# KiCad board Marble.kicad_pcb (continued)
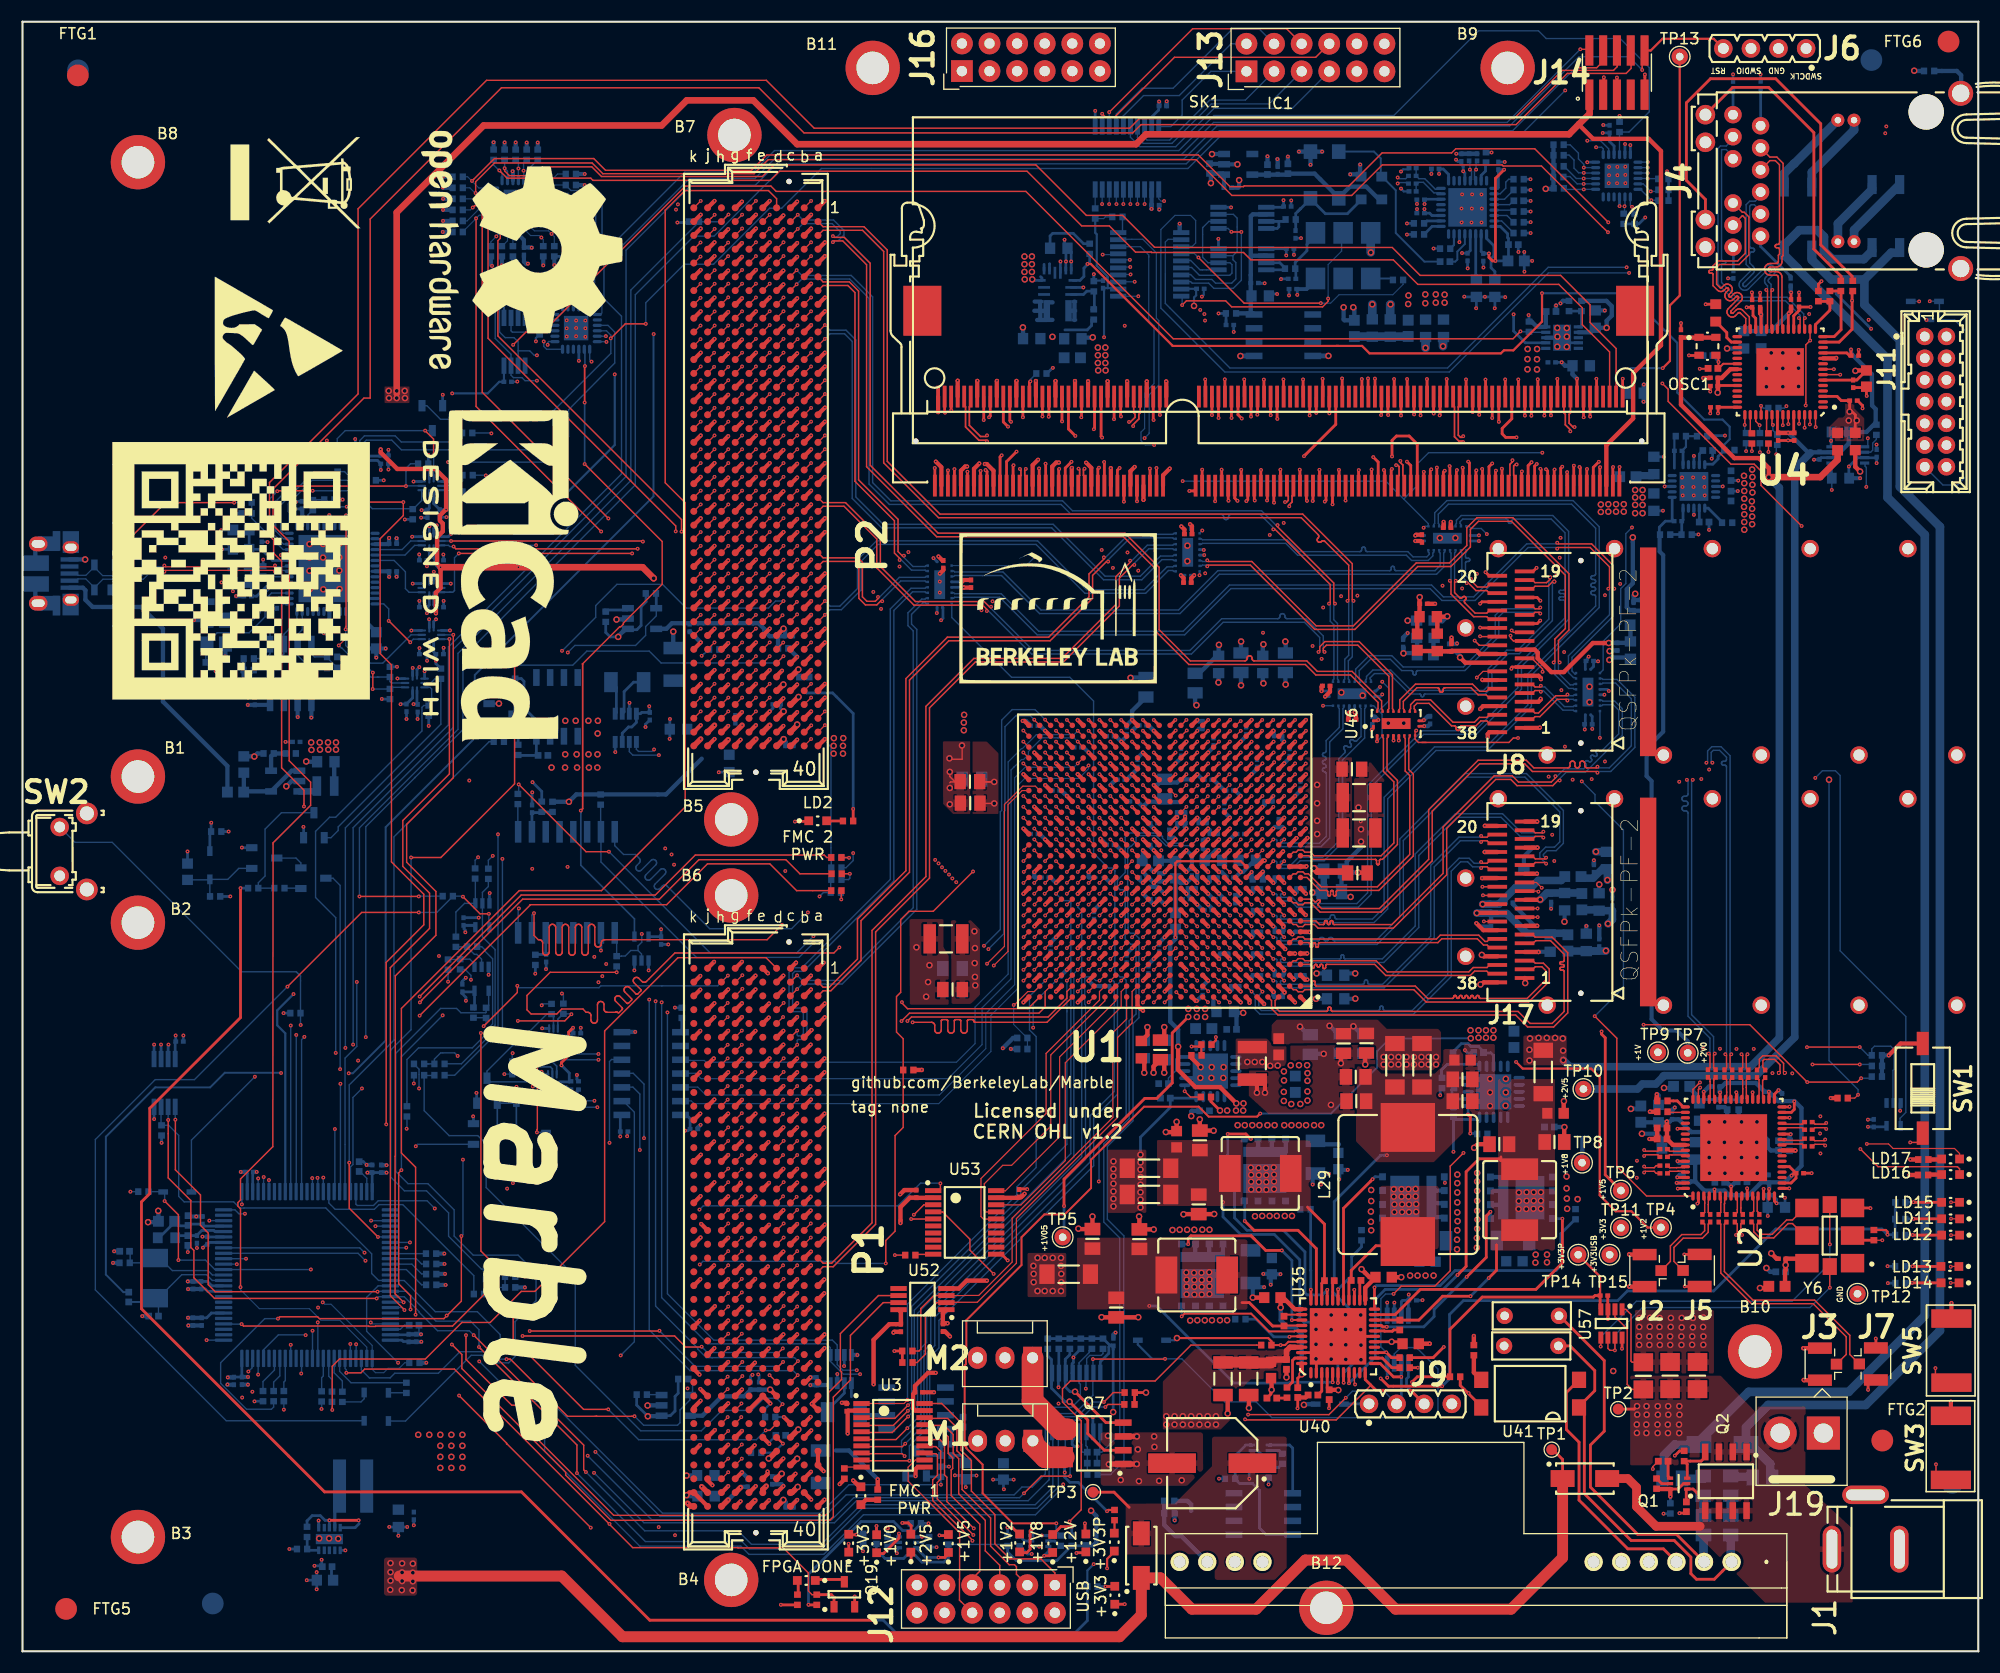
[diagram p0: board, top side]
## Nets (continued)
Net-(R126-Pad2): R126.2 U23.15 U33.8
Net-(R135-Pad2): R135.2 U54.93
Net-(R136-Pad2): R136.2 U54.92
Net-(R151-Pad2): R151.2 U54.82
Net-(R152-Pad2): R152.2 U54.83
Net-(R153-Pad2): R153.2 U54.84
Net-(R154-Pad2): R154.2 U54.85
Net-(R161-Pad1): R161.1 U1.M6
Net-(R168-Pad2): R168.2 R189.1 U36.16
Net-(R190-Pad2): R190.2 U35.39
Net-(R191-Pad2): R191.2 U35.33
Net-(R192-Pad2): R192.2 U35.28
Net-(R193-Pad2): R193.2 U35.43
Net-(R194-Pad2): R194.2 U35.22
Net-(R195-Pad2): R195.2 R196.1 U37.16
Net-(R197-Pad2): R197.2 R198.1 U40.9
Net-(R200-Pad2): R200.2 U23.17
Net-(R210-Pad2): R210.2 U30.1
Net-(R259-Pad2): R259.2 U55.3
Net-(R261-Pad2): R261.2 U43.3
Net-(R262-Pad2): R262.2 U6.6
Net-(R263-Pad2): R263.2 SW2.2 SW3.2 U54.23
Net-(R274-Pad2): R42.1 R274.2 U5.18
Net-(R281-Pad1): R281.1 U41.3
Net-(R283-Pad2): R283.2 R286.1 U1.T5
Net-(R284-Pad1): R284.1 R287.1 U1.T2
Net-(R285-Pad1): R285.1 R288.1 U1.P5
Net-(R291-Pad1): R291.1 U4.43
Net-(R292-Pad1): R292.1 U4.46
Net-(R293-Pad1): R293.1 U4.44
Net-(R294-Pad1): R294.1 U4.45
Net-(R295-Pad1): R295.1 U4.47
Net-(R296-Pad1): R296.1 U4.48
Net-(SK1-Pad74): SK1.74
Net-(SK1-Pad77): SK1.77
Net-(SK1-Pad102): SK1.102
Net-(SK1-Pad104): SK1.104
Net-(SK1-Pad120): SK1.120
Net-(SK1-Pad121): SK1.121
Net-(SK1-Pad122): SK1.122
Net-(SK1-Pad125): SK1.125
Net-(SK1-Pad198): SK1.198
Net-(U1-PadA23): U1.A23
Net-(U1-PadA24): U1.A24
Net-(U1-PadAA2): U1.AA2
Net-(U1-PadAA7): U1.AA7
Net-(U1-PadAB20): U1.AB20
Net-(U1-PadAC16): U1.AC16
Net-(U1-PadAD5): U1.AD5
Net-(U1-PadAD25): U1.AD25
Net-(U1-PadAE25): U1.AE25
Net-(U1-PadB26): U1.B26
Net-(U1-PadD11): U1.D11
Net-(U1-PadG11): U1.G11
Net-(U1-PadJ14): U1.J14
Net-(U1-PadN16): U1.N16
Net-(U1-PadT7): U1.T7
Net-(U1-PadU4): U1.U4
Net-(U1-PadU9): U1.U9
Net-(U1-PadU16): U1.U16
Net-(U1-PadU21): U1.U21
Net-(U1-PadV13): U1.V13
Net-(U1-PadW13): U1.W13
Net-(U1-PadW20): U1.W20
Net-(U1-PadY20): U1.Y20
Net-(U1-PadY21): U1.Y21
Net-(U2-Pad19): U2.19
Net-(U2-Pad20): U2.20
Net-(U2-Pad22): U2.22
Net-(U2-Pad23): U2.23
Net-(U2-Pad51): U2.51
Net-(U2-Pad52): U2.52
Net-(U2-Pad54): U2.54
Net-(U2-Pad55): U2.55
Net-(U4-Pad1): U4.1
Net-(U4-Pad2): U4.2
Net-(U4-Pad4): U4.4
Net-(U4-Pad5): U4.5
Net-(U4-Pad7): U4.7 U6.5
Net-(U4-Pad9): U4.9
Net-(U4-Pad12): U4.12
Net-(U4-Pad29): U4.29
Net-(U4-Pad31): U4.31
Net-(U4-Pad32): U4.32
Net-(U4-Pad33): U4.33
Net-(U4-Pad36): U4.36
Net-(U4-Pad37): U4.37
Net-(U4-Pad39): U4.39
Net-(U4-Pad40): U4.40
Net-(U4-Pad41): U4.41
Net-(U5-Pad25): U5.25
Net-(U13-Pad4): U13.4
Net-(U15-Pad1): U15.1
Net-(U15-Pad4): U15.4
Net-(U15-Pad8): U15.8 U23.34
Net-(U15-Pad9): U15.9
Net-(U18-Pad4): U18.4
Net-(U18-Pad7): U18.7
Net-(U20-Pad2): U20.2
Net-(U20-Pad3): U20.3
Net-(U20-Pad8): U20.8
Net-(U20-Pad24): U20.24
Net-(U20-Pad28): U20.28
Net-(U20-Pad29): U20.29
Net-(U21-Pad7): U21.7
Net-(U23-Pad18): U23.18
Net-(U23-Pad19): U23.19
Net-(U23-Pad20): U23.20
Net-(U23-Pad22): U23.22
Net-(U23-Pad23): U23.23
Net-(U23-Pad25): U23.25
Net-(U23-Pad27): U23.27
Net-(U23-Pad28): U23.28
Net-(U23-Pad29): U23.29
Net-(U23-Pad30): U23.30
Net-(U23-Pad32): U23.32 U38.9
Net-(U23-Pad33): U23.33 U38.8
Net-(U23-Pad35): U23.35
Net-(U23-Pad37): U23.37
Net-(U23-Pad38): U23.38
Net-(U23-Pad39): U23.39
Net-(U23-Pad40): U23.40
Net-(U23-Pad42): U23.42 U25.8
Net-(U23-Pad46): U23.46 U25.9
Net-(U23-Pad47): U23.47
Net-(U23-Pad48): U23.48
Net-(U23-Pad49): U23.49
Net-(U23-Pad51): U23.51
Net-(U23-Pad52): U23.52
Net-(U23-Pad53): U23.53
Net-(U23-Pad54): U23.54
Net-(U30-Pad3): U30.3
Net-(U30-Pad4): U30.4
Net-(U30-Pad5): U30.5
Net-(U30-Pad6): U30.6
Net-(U30-Pad11): U30.11
Net-(U30-Pad12): U30.12
Net-(U30-Pad13): U30.13
Net-(U34-Pad1): U34.1
Net-(U34-Pad2): U34.2
Net-(U34-Pad3): U34.3
Net-(U34-Pad10): U34.10
Net-(U34-Pad11): U34.11
Net-(U34-Pad12): U34.12
Net-(U35-Pad1): U35.1
Net-(U35-Pad10): U35.10
Net-(U35-Pad15): U35.15
Net-(U36-Pad2): U36.2
Net-(U36-Pad3): U36.3
Net-(U36-Pad4): U36.4
Net-(U36-Pad9): U36.9
Net-(U36-Pad13): U36.13
Net-(U36-Pad14): U36.14
Net-(U36-Pad17): U36.17
Net-(U37-Pad2): U37.2
Net-(U37-Pad3): U37.3
Net-(U37-Pad4): U37.4
Net-(U37-Pad9): U37.9
Net-(U37-Pad13): U37.13
Net-(U37-Pad14): U37.14
Net-(U37-Pad17): U37.17
Net-(U39-Pad2): U39.2
Net-(U39-Pad10): U39.10
Net-(U39-Pad11): U39.11
Net-(U39-Pad14): U39.14
Net-(U39-Pad15): U39.15
Net-(U39-Pad16): U39.16
Net-(U40-Pad3): U40.3 U41.2
Net-(U47-Pad9): U47.9
Net-(U47-Pad17): U47.17
Net-(U48-Pad9): U48.9 U56.4
Net-(U52-Pad5): U52.5
Net-(U53-Pad6): U53.6
Net-(U53-Pad7): U53.7
Net-(U53-Pad8): U53.8
Net-(U53-Pad9): U53.9
Net-(U53-Pad12): U53.12
Net-(U53-Pad13): U53.13
Net-(U53-Pad14): U53.14
Net-(U53-Pad15): U53.15
Net-(U54-Pad2): U54.2
Net-(U54-Pad3): U54.3
Net-(U54-Pad5): U54.5
Net-(U54-Pad7): U54.7
Net-(U54-Pad8): U54.8
Net-(U54-Pad9): U54.9
Net-(U54-Pad24): U54.24
Net-(U54-Pad32): U54.32
Net-(U54-Pad33): U54.33
Net-(U54-Pad38): U54.38
Net-(U54-Pad48): U54.48
Net-(U54-Pad51): U54.51
Net-(U54-Pad52): U54.52
Net-(U54-Pad55): U54.55
Net-(U54-Pad63): U54.63
Net-(U54-Pad70): U54.70
Net-(U54-Pad71): U54.71
Net-(U54-Pad88): U54.88
Net-(U54-Pad90): U54.90
Net-(U54-Pad95): U54.95
Net-(U54-Pad99): U54.99
Net-(U58-Pad4): U58.4 U58.5 U58.6 U58.A4
Net-(U58-Pad10): U58.10
Net-(U58-Pad11): U58.11
Net-(U58-Pad15): U58.15
Net-(U59-Pad5): U59.5
Net-(Y3-Pad5): Y3.5
Net-(Y6-Pad1): Y6.1

Pads without a net: FTG1 1; FTG2 1; FTG3 1; FTG4 1; FTG5 1; FTG6 1; FTG7 1; FTG8 1; SK1 205 206; SW2 3 4; U14 1 2 3 6 7; U40 4 5 6; U51 6 9; U56 1

## Via types
v1: diameter 0.35, hole 0.152, Top to Bottom, 2779 vias
v2: diameter 0.6, hole 0.35, Top to Bottom, 688 vias

## Routing (per net, layer and track width the routed paths; a pad name or vN(x,y) marks a point on that pad's centre or on a via; arc(x,y) is an arc through that point)
+1V0: length 221.5
  Top w0.254: C57.1 168.82,117.02 C53.1 168.48,117.01 U4.6 ; v1(156.04,113.95) 156.06,113.97 C54.1 156.06,114.51 U4.42
  Top w0.381: U1.P14 v1(104.12,73.73) ; U1.N9 v1(110.12,71.73) ; U1.J9 v1(110.12,67.73) ; U1.K8 v1(111.12,68.73) ; U1.K12 v1(107.12,68.73) ; U1.L9 v1(110.12,69.73) ; U1.L15 v1(103.12,69.73) ; U1.M14 v1(104.12,70.73) ; U1.M8 v1(111.12,70.73) ; U1.N15 v1(103.12,71.73) ; U1.K10 v1(109.12,68.73) ; U1.K14 v1(104.12,68.73) ; U1.T14 v1(104.12,75.73) ; U1.U15 v1(103.12,76.73) ; U1.R15 v1(103.12,74.73) ; U1.L13 105.12,69.73 v1(105.1,69.73)
  Top w0.4: C57.1 168.78,117.9
  In2.Cu w0.254: v2(125.27,54.02) 124.97,53.72 124.97,45.62 118.08,38.73 118.08,35.37 107.29,24.58 100.41,24.58 99.01,23.17 99.01,21.33 98.9,21.22 98.9,9.92 97.37,8.39 85.31,8.39 v1(84.12,9.58)
  In2.Cu w0.4: v2(130.1,54.02) 130.4,53.72 149.25,53.72 167.31,71.77 167.31,109.9 167.99,110.58 169.46,110.58 170.31,111.43 170.31,116.24 v2(168.69,117.86) 168.04,118.51 166.62,118.51 166.41,118.73 160.03,118.73 156.04,114.74 v1(156.04,113.95)
  Bottom w0.254: R247.1 v1(84.12,9.58)
  Bottom w0.381: v1(103.12,74.73) U1.R15 C271.1 103.77,74.08 v1(104.12,73.73) ; v1(110.12,67.73) U1.J9 C269.1 109.47,68.38 v1(109.12,68.73) ; v1(110.12,71.73) 110.37,71.73 110.77,71.33 C264.1 110.77,71.08 v1(111.12,70.73) ; v1(104.12,75.73) 103.77,76.08 C279.1 U1.U15 v1(103.12,76.73) ; C277.1 106.77,69.08 v1(107.12,68.73) ; v1(111.12,68.73) U1.K8 C267.1 110.47,69.38 v1(110.12,69.73) ; 103.62,71.23 v1(103.12,71.73) ; v1(104.12,68.73) 103.77,69.08 C275.1 103.62,69.23 v1(103.12,69.73) 103.76,70.37 104.2,70.37 104.12,70.46 v1(104.12,70.73) 103.59,71.26 103.58,71.26 ; C270.1 123.18,56.84 122.48,57.55 ; v2(120.29,57.57) 121.02,56.84 C268.1 ; v1(105.1,69.73) 104.46,70.37 104.2,70.37 104.15,70.42 104.12,70.42 ; 118.16,56.82 118.16,56.91 v2(117.57,57.5)
  vias: v2(119.15,79.76) v2(119.15,78.06) v2(119.15,76.44) v2(119.15,75.23) v2(122.49,57.53) v2(125.27,54.7) v2(125.96,54.7) v2(125.96,54.02) v2(126.64,54.7) v2(126.64,54.02) v2(127.38,54.7) v2(127.38,54.02) v2(128.06,54.7) v2(128.06,54.02) v2(128.75,54.7) v2(128.75,54.02) v2(129.41,54.7) v2(129.41,54.02) v2(130.1,54.7)
+1V5: length 243.9
  Top w0.254: v1(108.85,117.07) 108.86,117.06 108.86,115.44 ; v1(110.65,117.08) 110.66,117.08 110.66,115.46 ; v1(112.44,117.07) 112.45,117.06 112.45,115.44 ; v1(114.25,117.06) 114.26,117.05 114.26,115.43 ; v1(116.05,117.07) 116.06,117.06 116.06,115.44 ; v1(117.85,117.07) 117.86,117.06 117.86,115.44 ; v1(119.66,117.14) 119.67,117.13 119.67,115.51 ; v1(121.45,117.16) 121.46,117.15 121.46,115.53 ; v1(123.26,117.11) 123.27,117.1 123.27,115.48 ; v1(122.98,108.73) 122.97,108.71 SK1.123 ; v1(108.57,108.77) 108.57,108.76 SK1.75 ; TP6.1 145.67,43.86 145.67,56.47 145.33,56.81 v1(145.33,57.05) ; v1(112.16,108.75) 112.17,108.75 SK1.87 ; v1(117.55,108.77) 117.57,108.75 SK1.105 ; SK1.111 119.37,108.75 v1(119.36,108.75) ; SK1.81 110.37,108.76 v1(110.36,108.77) ; v1(113.99,108.74) 113.97,108.72 SK1.93 ; v1(121.16,108.75) 121.17,108.74 SK1.117 ; SK1.99 115.77,108.76 v1(115.77,108.77)
  Top w0.381: U1.U3 v1(116.12,76.73) ; U1.AA1 v1(118.12,80.73) ; U1.AF6 v1(113.12,85.73) ; U1.Y4 v1(115.12,79.73) ; U1.AD2 v1(117.12,83.73) ; U1.AF16 v1(102.12,85.73) ; U1.W17 v1(101.12,78.73) ; U1.AB18 v1(100.12,81.73) ; U1.Y14 v1(104.12,79.73) ; U1.AC15 v1(103.12,82.73) ; U1.AB8 v1(111.12,81.73) ; U1.V10 v1(109.12,77.73) ; U1.AD12 v1(107.12,83.73) ; U1.AE19 v1(99.12,84.73) ; U1.AE9 v1(110.12,84.73) ; U1.W7 v1(112.12,78.73) ; U1.AA11 v1(108.12,80.73) ; U1.AC5 114.08,82.69 v1(114.08,82.73)
  In2.Cu w0.254: 88.14,15.26 89.76,16.88 92.79,16.88 94.69,18.78 94.69,23.04 97.12,25.48 97.12,31.37 99.27,33.52 ; 88.14,15.26 88.25,15.4 ; 88.14,15.26 84.17,11.32 v1(79.64,11.32) ; v1(145.33,57.05) 138.39,57.05 136.27,54.93 131.82,54.93 130.83,55.92 113.38,55.92 112.13,54.67 112.13,51.65 111.79,51.31 109.79,51.31 108.49,50.01 106.08,50.01 103.77,47.7 103.77,44.02 104.34,43.45 104.34,40.38 99.29,35.32 99.29,33.54
  In4.Cu w0.254: v1(141.96,83.27) 141.96,76.16 143.03,75.09 143.03,64.45 145.33,62.14 v1(145.33,57.05)
  In4.Cu w0.4: v1(103.91,132.77) 103.91,124.48 v1(101.44,122.01)
  Bottom w0.112: R6.2 99.65,132.03 99.5,131.88 R5.1
  Bottom w0.2: 99.86,125.48 C317.1 99.54,125.38 v1(99.54,120.96) ; 99.86,125.48 99.88,125.5 99.88,126.45 99.85,126.47 99.85,126.56 98.87,127.54 98.87,130.43 98.73,130.57 R5.1 ; 99.86,125.48 100.79,125.47 100.83,125.43
  Bottom w0.254: v1(94.83,118.14) 94.8,118.14 94.26,117.59 ; R250.1 79.63,11.31 v1(79.64,11.32)
  Bottom w0.381: C332.1 U1.AD2 v1(117.12,83.73) ; 108.77,80.23 108.62,80.23 v1(108.12,80.73) ; C389.1 102.62,82.23 v1(103.12,82.73) ; C387.1 U1.AE19 v1(99.12,84.73) ; v1(113.12,85.73) U1.AF6 C334.1 ; v1(118.12,80.73) U1.AA1 C338.1 ; C390.1 U1.W17 v1(101.12,78.73) ; C391.1 115.97,76.58 v1(116.12,76.73) ; v1(112.12,78.73) 111.62,79.23 111.47,79.23 ; C261.1 U1.AE9 v1(110.12,84.73) ; v1(114.08,82.73) 113.62,82.27 C336.1
  Bottom w0.4: U31.2 144.33,121.41 C22.1 145.79,121.83 v2(145.8,121.82) 145.8,122.47 146.27,122.95 146.27,123.82 145.78,124.3 R31.2 ; C253.1 102.12,86.56 v1(102.12,85.73) 101.64,85.25 C388.1 ; v2(116.25,88.99) 116.23,89.01 C284.1 ; C257.1 106.63,83.24 v1(107.12,83.73) ; C286.1 112.14,88.92 v2(112.15,88.91) ; v2(110.07,89.18) 110.08,89.19 C282.1 ; U12.2 103.91,134.55 C312.1 103.91,132.77 v1(103.91,132.77) ; v1(104.12,79.73) 104.43,79.73 104.67,79.97 106.27,79.97 106.55,80.25 107.64,80.25 v1(108.12,80.73) ; C386.1 107.92,87.21 v2(108.05,87.09) ; C280.1 114.15,89.16 v2(114.21,89.1)
  vias: v2(98.97,120.01) v2(98.97,119.3) v2(98.97,118.59) v2(99,117.9) v2(99.66,120.01) v2(99.66,119.3) v2(99.66,118.59) v2(99.68,117.9) v2(145.26,105.56) v2(145.26,104.88) v2(145.95,105.59) v2(145.95,104.9) v2(146.66,105.59) v2(146.66,104.9) v2(147.37,105.59) v2(147.37,104.9)
+1V8: length 190.4
  Top w0.2: v1(106.11,65.73) 106.11,72.55 106.29,72.73 112.12,72.73 U1.N6
  Top w0.254: 154.28,120.94 154.3,120.92 ; R76.1 109.39,50.6 v2(110.21,49.77) ; 152.66,120.92 C43.1
  Top w0.4: 160.74,108.08 v2(160.73,108.07) 160.73,108.91 159.8,109.83 157.55,109.83 152.64,114.75 C43.1 ; v2(106.36,55.65) 106.36,53.52 107.95,51.93 110.21,51.93 v2(111.71,50.43) ; 152.66,120.92 155.85,120.92
  Top w0.6: L3.1 167.05,109.67 165.46,108.08 160.74,108.08
  In2.Cu w0.254: 109.63,49.19 v2(110.21,49.77) ; v1(92.88,8.96) 93.14,9.21 95.68,9.21 97.1,10.63 97.1,13.43 98.02,14.34 98.02,21.41 98.01,21.42 98.01,22.97 102.03,26.99 102.03,31.87 105.12,34.96 105.12,44.39 109.4,48.67 109.4,48.97 109.62,49.19
  Bottom w0.254: v1(92.88,8.96) 92.49,8.96 R255.1
  Bottom w0.381: TP8.1 143.53,46.03 143.56,46.06 143.56,47.26
  Bottom w0.4: v2(106.36,55.65) 106.36,57.24 105.63,57.96 105.63,65.08 106.12,65.57 L27.1
  Bottom w0.7: v2(160.73,108.07) 161.69,107.1 161.69,56.47 159.04,53.81 142.4,53.81 v2(141.8,54.42)
  vias: v2(110.87,49.77) v2(111.68,49.77) v2(112.37,50.43) v2(112.35,49.77) v2(116.08,51.49) v2(116.09,50.66) v2(116.77,50.37) v2(117.6,50.38) v2(118.26,51.53) v2(118.26,50.69) v2(138.69,55.37) v2(138.69,54.38) v2(138.74,56.41) v2(139.53,56.46) v2(140.29,56.46) v2(141.05,56.46) v2(141.76,56.41) v2(141.79,55.29)
+1V8_USB: length 2.2
  Bottom w0.381: C173.1 31.75,94.62 U23.43
+2V5: length 444.4
  Top w0.127: 88.29,78.04 v2(89.43,78.04)
  Top w0.178: 88.29,80.03 v2(89.43,80.03) ; 86.91,65.58 C239.1 86.63,65.58
  Top w0.254: U1.F26 v1(92.12,64.73) ; v1(72.34,4.28) 72.35,4.27 R162.1 ; 162.5,112.15 v1(162.49,112.15) 162.49,112.15 ; C56.1 163.02,112.2 U4.52 ; U4.11 167.9,119.51 168.15,119.26 C55.1 168.29,119.81 v1(168.28,119.82) ; U4.49 161.52,112.21 C79.1 ; v1(128.42,26.1) 127.69,26.1 R157.1 ; v1(50.67,57.39) 50.27,56.99 50.27,54.85 49.6,54.19 v1(49.6,53.94) ; v1(80.24,27.63) 80.25,27.64 R2.1 80.97,27.63 R1.1
  Top w0.381: U1.U23 v1(95.12,76.73) ; U1.AC25 v1(93.12,82.73) ; U1.H20 v1(98.12,66.73) ; U1.G23 v1(95.12,65.73) ; U1.T6 v1(113.12,75.73) ; U1.AD22 v1(96.12,83.73) ; U1.T16 v1(102.12,75.73) ; U1.L7 v1(112.12,69.73) ; U1.A21 v1(97.12,59.73) ; U1.F16 v1(102.12,64.73) ; U1.E19 v1(99.12,63.73) ; U1.T26 v1(92.12,75.73) ; U1.P7 v1(112.12,73.73) ; U1.K24 v1(94.12,68.73) ; U1.P22 v1(96.12,73.73) ; U1.D22 v1(96.12,62.73) ; U1.Y24 v1(94.12,79.73) ; U1.M18 v1(100.12,70.73) ; U1.C15 v1(103.12,61.73) ; U1.D12 v1(107.12,62.73) ; U1.G13 v1(105.12,65.73) ; U1.B8 v1(111.12,60.73) ; U1.H10 v1(109.12,66.73) ; U1.E9 110.12,63.73 v1(110.12,63.73) ; U1.J17 101.11,67.72 v1(101.11,67.72) ; P2.H40 64.37,83.34 ; U1.B18 v1(100.12,60.73) ; P1.H40 64.35,13.34 ; U1.V20 98.12,77.73 v1(98.12,77.73) ; U1.AA21 97.12,80.73 v1(97.12,80.73) ; v1(108.07,59.86) 107.99,59.86 U1.A11 ; v1(99.21,74.79) 99.21,74.64 U1.R19 ; U1.N25 93.12,71.73 v1(93.12,71.73) ; P1.G39 65.62,14.61 ; v1(97.12,69.73) 97.12,69.73 U1.L21 ; R4.1 75.64,15.81 v1(75.21,15.38) ; U1.AF26 92.21,85.64 v1(92.06,85.64) ; v1(75.94,20.04) 75.94,22.09 76.01,22.16 U3.2 ; U1.C25 v1(93.12,61.73)
  Top w0.4: C287.1 105.08,56.61 v2(105.08,57.45) ; C56.1 162.5,112.15 ; C79.1 162.49,112.15 ; v2(103.53,57.45) 103.53,56.74 C281.1 ; v1(85.14,30.19) 84.76,30.19 C21.1 84.71,31.12 U52.1 ; 89.61,41.74 91.65,41.74 C319.1 91.91,41.8 v1(92.22,42.12) ; v1(32.97,110.63) 32.97,110.35 34.49,108.83 38,108.83 38.99,107.84 v1(38.99,105.1) 38.96,105.1 38.42,104.55 38.42,104.07 38.68,103.81 38.68,103.09 38.16,102.56 38.16,100.11 v1(38.48,99.79) 38.48,97.88 38.05,97.45 v1(38.05,95.55) ; v1(82.77,53.52) 82.76,53.51 R160.1
  Top w0.5: P2.K40 v1(62.42,83.98) ; v1(61.21,13.63) 61.5,13.34 P1.K40 ; P2.F40 v1(67.5,83.98) ; P1.F40 v1(67.41,13.88) ; 65.62,14.61 v1(66.09,15.08) ; 64.37,83.34 v1(64.94,83.91) ; P1.E39 68.13,14.89 v1(68.45,15.21) ; P2.E39 v1(68.77,85.25) ; 64.35,13.34 v1(64.94,13.94) ; P2.G39 v1(66.23,85.25) ; P2.J39 v1(63.69,85.25) ; P1.J39 v1(62.51,15.15)
  Top w0.6: v2(58.09,98.77) 57.07,99.79 v1(38.48,99.79)
  In2.Cu w0.254: v1(128.42,26.1) 128.42,26.35 130.48,28.41 130.73,28.41 135.53,33.21 135.53,43.93 141.71,50.11 143.08,50.11 143.66,50.7 TP10.1 ; v1(83.39,11.78) 80.87,14.29
  In2.Cu w0.6: v2(58.09,98.77) 58.09,96.68 61.82,92.95 61.82,83.61
  In4.Cu w0.254: v1(49.6,53.94) 53.34,53.94 59.36,47.92 v1(60.98,47.92)
  In4.Cu w0.381: J11.2 177.07,122.16 176.05,123.18 171.65,123.18 v1(168.28,119.82)
  In9.Cu w0.254: v2(50.29,78.2) 47.9,75.81 47.9,63.33 47.19,62.62 v1(47.19,62.37) 47.19,60.63 50.42,57.39 v1(50.67,57.39)
  In9.Cu w0.4: 143.66,51.59 TP10.1
  In9.Cu w1: TP10.1 143.66,50.47 142.34,49.15 135.77,49.15 135.06,48.44 127.25,48.44 121.96,43.15 121.96,43.08 116.55,37.67 108.63,37.67 106.77,35.82 93.13,35.82
  Bottom w0.13: 74.01,83.63 74.41,83.24 R283.1 74.43,73.07 R282.2
  Bottom w0.254: U9.6 50.32,52.41 50.32,52.42 50.32,53.22 v1(49.6,53.94) ; v1(72.34,4.28) 72.34,7.1 77.18,11.94 80.17,11.94 81,11.12 82.05,11.12 82.69,11.76 R251.1 v1(83.39,11.78) ; v1(32.97,110.63) 32.97,110.63 C186.1 32.92,110.02 U33.6 ; U15.6 37.84,96.32 C356.1 38.05,95.55 v1(38.05,95.55) ; 60.67,49.39 61.08,49.39 61.45,49.03 61.45,48.13 61.24,47.92 v1(60.98,47.92) ; R166.1 45.64,100.74 v1(45.64,99.79) ; U26.6 37.84,105.65 C185.1 38.98,105.09 v1(38.99,105.1) ; U8.6 50.42,56.63 C213.1 50.68,57.39 v1(50.67,57.39) ; 164.44,110.25 164.55,110.32 ; 166.93,125.21 166.93,124.95 v1(170.14,121.73) ; v1(38.48,99.79) 38.23,99.79 38.05,99.97 C187.1 37.84,100.63 U38.6 ; R227.1 47.2,62.39 v1(47.19,62.37) ; v1(162.49,112.15) 162.54,112.15
  Bottom w0.381: v1(112.12,69.73) 111.97,69.58 C248.1 ; v1(105.12,65.73) 104.62,65.23 C333.1 ; v1(102.12,64.73) 101.62,64.23 C249.1 ; C260.1 U1.H20 v1(98.12,66.73) ; C258.1 94.62,65.23 v1(95.12,65.73) ; C256.1 U1.T6 v1(113.12,75.73) ; C337.1 111.27,60.88 v1(111.12,60.73) ; 95.62,62.08 95.62,62.23 v1(96.12,62.73) ; C262.1 U1.T26 v1(92.12,75.73) ; v1(100.12,70.73) 99.62,71.23 99.47,71.23 ; v1(103.12,61.73) U1.C15 C335.1 ; 96.77,83.23 U1.AD22 v1(96.12,83.73) ; v1(94.12,79.73) U1.Y24 C247.1 ; v1(110.12,63.73) 110.12,64.08 110.27,64.23 ; v1(108.07,59.86) 108.59,60.38 C392.1 ; C251.1 100.12,61.08 v1(100.12,60.73) ; v1(92.06,85.64) 92.36,85.64 92.77,85.23 ; v1(93.12,71.73) 93.12,71.27 93.16,71.23 C245.1 ; v1(99.21,74.79) 99.77,74.24 C250.1
  Bottom w0.4: U6.3 167.27,110.37 168.1,111.2 R64.2 169.71,112.24 170.56,113.08 170.56,114.34 170.23,114.67 170.21,117.55 168.28,119.47 v1(168.28,119.82) ; R221.1 91.17,56.46 v1(90.22,55.51) ; 62.51,82.16 59.22,78.87 R223.1 50.96,78.87 v2(50.29,78.2) R225.1 ; 162.54,112.15 164.44,110.25 ; 166.48,110.37 164.74,110.37 ; v1(64.94,13.94) v1(66.09,15.08) 66.14,15.13 C67.1
  Bottom w0.7: TP10.1 148.63,51.76 149.09,52.22 150.32,52.22 151,52.89 151,52.92 151.07,52.99 159.57,52.99 163.11,56.53 163.11,108.88 164.55,110.32
  vias: v2(74.67,84.06) v2(74.65,83.34) v2(74.65,82.63) v2(75.54,84.06) v2(75.51,83.34) v2(75.51,82.63) v2(86.66,86.2) v2(86.64,85.49) v2(86.64,84.78) v2(87.61,66.28) v2(87.66,64.73) v2(87.64,63.35) v2(87.66,62.07) v2(87.69,61.3) v2(93.04,35.47) v2(93.06,34.74) v2(93.06,33.98) v2(93.42,36.21) v2(93.42,33.16) v2(94.08,36.21) v2(94.08,33.16) v2(94.82,36.21) v2(94.82,33.16) v2(95.58,36.21) v2(95.58,35.47) v2(95.58,33.16) v2(95.6,34.74) v2(95.6,33.98)
+3V3: length 205.9
  Top w0.127: R7.1 v1(80.29,36.46)
  Top w0.254: 128.52,85.15 129,85.15 v1(129,85.16) ; R163.1 69.81,4.27 v1(69.8,4.28) ; v1(160.25,42.56) 160.24,42.55 U2.14 ; 124.32,85.15 124.32,84.97 v1(124.18,84.83) ; v1(130.81,28.01) 129.83,27.03 R167.1 ; 126.67,84.3 126.67,83.84 v1(126.67,83.84)
  Top w0.381: C104.1 107.56,98.78 v1(107.83,99.05) ; C395.1 107.64,103.56 v1(107.45,103.75) ; v1(84.3,100.78) 84.67,100.4 C397.1 ; P1.C39 70.7,14.61 ; v1(122.12,86.4) 122.02,86.31 C305.1 ; v1(86.64,97.93) 86.66,97.91 C37.1 ; C292.1 128.26,102.78 v1(128.19,102.71) ; P2.D40 69.45,83.34 ; v1(119.89,87.87) 120.34,88.33 C396.1 ; v1(84.05,25.63) 83.34,25.63 82.13,24.42 C314.1 81.97,23.67 81.97,22.36 82.17,22.16 U3.19 ; P1.D40 69.43,13.34 ; P2.D36 69.45,88.42 ; C306.1 131.45,103.43 v1(131.45,103.97) ; 71.29,85.23 v2(71.29,85.31)
  Top w0.4: 83.81,41.74 82.28,41.74 C318.1 81.67,41.75 80.8,40.89 v1(80.8,39.42) ; v2(128.59,97.03) 128.57,97.01 C297.1 128.37,95.02 L2.1 ; R19.1 v1(173.75,45.27) ; v1(173.68,43.86) 173.7,43.84 R18.1
  Top w0.5: P2.C39 71.29,85.23 ; 70.7,14.61 70.83,14.61 v2(71.35,15.13) ; P1.D38 v2(69.87,16.35) ; 69.43,13.34 v2(70.03,13.94) ; P1.D36 68.73,17.75 v2(68.68,17.75) ; P2.D38 70.04,86.52 ; 69.45,83.34 70.03,83.91 ; 69.45,88.42 v2(70.03,88.99)
  In4.Cu w0.4: 107.83,101.01 107.83,102.26 108.27,102.69 ; 107.83,101.01 v1(107.83,99.05) ; 107.83,101.01 107.83,100.96 107.89,100.9 108.66,100.9 ; v1(107.45,103.75) 107.45,103.5 108.27,102.69 ; 108.27,102.69 109.08,102.69 109.23,102.84 109.23,103.43 108.54,104.12 108.54,107.36 107.82,108.08 v2(107.82,123.84)
  Bottom w0.102: 105.77,51.06 C145.1
  Bottom w0.127: v1(108.76,100.9) 108.76,100.9 108.65,100.9
  Bottom w0.2: R28.1 44.7,125.34 v1(44.24,124.88) 44.33,124.8 C415.1 44.31,124.18 U59.1 ; 106.63,125.43 106.64,125.42 108.02,125.42 108.02,124.81 107.82,124.62 v2(107.82,123.84) ; v1(47.25,120.58) 47.25,120.88 47.5,121.12 47.57,121.12
  Bottom w0.254: 146.31,68.17 146.32,68.19 C398.1 ; C400.1 145.12,64.5 145.07,64.45 ; R29.1 138.65,122.94 ; 144.33,86.19 144.47,86.06 C290.1 144.47,84.91 v1(144.47,84.9) ; v1(160.63,40.07) 160.61,40.08 160.61,41.72 160.25,42.08 v1(160.25,42.56) ; U9.7 49.47,52.01 49.89,52.01 49.91,51.99 50.03,51.99 ; v1(131.45,103.97) 131.43,103.97 131.39,103.92 U50.6 ; U48.1 124.96,87.89 v1(125.14,88.08) ; C8.1 69.77,86.79 70.04,86.52 ; U39.18 48.23,123.05 v1(48.23,123.05) ; v1(149.35,131.98) 148.76,131.39 R302.1 R301.1 ; R264.1 171.66,35.44 v1(171.65,35.45) ; R24.1 97.66,129.57 96.7,130.52 94.82,130.52 94.57,130.28 C411.1 ; v1(51.23,125.28) 50.89,125.28 C342.1 50.88,125.26 50.97,125.26 50.7,124.99 U39.21 ; v1(151.36,136.23) 151.48,136.11 R305.2 151.49,135.52 R304.2 R303.2 ; v1(60.04,59.25) 60.06,59.24 R8.1 ; v1(84.3,100.78) 84.68,100.4 84.68,100.29 ; 93.21,126.2 93.22,126.19 U58.12 93.82,126.41 93.7,126.53 ; v1(146.98,141.33) R199.1 ; U50.10 134.03,102.7 v1(134.05,102.72) ; R224.1 47.79,79.15 v1(46.94,80) ; U9.10 47.91,51.31 v1(47.9,51.32) ; U36.10 133.91,48.96 131.95,48.96 C139.1 131.69,45.98 v1(131.7,45.98) ; R248.1 77.37,9.22 v1(77.35,9.21) ; v1(50.67,55.57) 50.68,55.57 C212.1 50.52,56.23 U8.7 ; v1(145.44,139.76) 145.44,139.76 C215.1 146.07,138.97 146.48,138.56 U34.21 ; 104.57,142.18 104.57,141.87 103.92,141.23 U12.19 ; U48.10 119.89,87.89 119.89,87.88 v1(119.89,87.87) ; v1(44.31,56.63) 44.31,56.63 R131.1 ; v1(50.34,51.22) 50.35,51.23 50.35,51.73 50.29,51.73 50.03,51.99 ; U58.13 94.02,127.67 ; v1(55.01,47.39) 55.02,47.39 C320.1 55.02,49.27 55.14,49.39 55.27,49.39 ; 50.03,51.99 49.93,51.99 ; v1(86.64,97.93) 86.63,97.94 85.53,97.94 ; R265.1 v1(171.68,33.89) ; 168.08,108.13 168.08,109.05 168.89,109.86 170.65,109.86 170.68,109.89 ; U37.10 107.88,50.92 C145.1 105.63,50.06 102.89,47.32 v2(102.89,45.71) ; v1(48.46,54.83) 48.47,54.84 U8.10 48.47,55.31 ; v1(137.23,123.07) 137.23,121.53 138.31,120.45 U31.7 ; 171.5,48.35 171.43,48.28 v1(169.85,48.28) ; 107.48,103.25 107.48,103.72 v1(107.45,103.75) ; 145.18,88.04 145.58,88.04 v1(145.59,88.05) ; U50.1 128.19,102.7 v1(128.19,102.71) ; C41.1 170.65,109.37 v1(170.64,109.37) ; 108.33,100.9 108.65,100.9 ; 84.68,96.09 84.71,96.05 84.71,95.09 v1(84.54,94.91) ; 107.48,99.05 v1(107.83,99.05) ; U34.23 147.48,138.73 v1(147.49,138.74) ; v1(58.77,66.46) C78.1 58.76,65.78 U11.5 ; U8.1 48.21,56.23 47.88,56.23 47.75,56.1 v1(47.75,55.72) ; U48.6 122.11,86.41 v1(122.12,86.4) ; v1(145.01,91.13) 144.59,91.13 144.59,90.65 144.33,90.39 ; U58.14 94.52,127.7 94.54,127.71
  Bottom w0.381: C291.1 124.23,84.88 v1(124.18,84.83) ; R83.2 v1(51.69,131.92) ; v2(149.04,47.64) 150.42,47.64 150.89,47.18 L6.1 ; v2(148.03,49.93) 148.05,49.95 148.79,49.95 148.94,50.1 L8.2 ; C23.1 129.34,85.16 v1(129,85.16) ; v1(45.39,138.89) 45.39,138.23 R54.2 ; R56.2 v1(47.42,138.88) ; R55.2 v1(51.74,135.98) ; v1(51.74,132.96) 51.71,132.93 R91.2 ; R62.2 v1(169.12,107.98) ; R53.2 v1(46.4,138.88) ; v1(38.68,134.74) 38.71,134.71 R50.2 ; 152.03,51.86 v2(151.08,51.86) ; R49.2 v1(38.68,135.73)
  Bottom w0.4: R29.1 138.66,122.41 138.88,122.41 139.37,121.91 U31.10 140.2,123.29 C24.1 ; v2(121.59,123.71) 121.59,122.61 121.68,122.51 L11.1 122.58,123.61 v2(122.48,123.71) ; C7.1 70.23,83.7 70.03,83.91 ; v2(148.21,102.53) 148.21,98.31 147.65,97.76 147.65,96.1 147.93,95.83 C295.1 148.32,95.79 149.44,95.79 149.46,95.76 L1.1 ; L4.1 v2(156.88,119.92) ; 140.9,138.67 140.9,134.62 v2(140.19,134.62) ; C296.1 128.36,93.22 128.36,91.89 127.12,91.89 v2(127.1,91.86) 127.1,92.4 C294.1 ; v2(70.03,13.94) 70.25,13.71 C63.1 ; C64.1 69.6,16.08 v2(69.87,16.35) ; C315.1 104.61,142.24 v1(104.61,142.65)
  Bottom w0.7: L44.1 C403.1 144.55,64.45 ; L30.1 145.03,68.25 C401.1 146.31,68.17 146.33,68.16 146.33,67.35 145.95,66.97 v2(145.92,66.97) ; 144.55,64.45 145.07,64.45 ; 144.55,64.45 145.7,64.45 v2(145.73,64.48) ; 145.87,70.97 145.87,71.73 145.52,72.09 ; 145.46,72.08 144.56,71.17 143.44,71.17
  vias: v1(138.61,123) v1(168.09,109.06) v2(70.05,86.52) v2(70.05,83.96) v2(92.22,128.39) v2(92.22,127.68) v2(92.22,126.97) v2(92.24,126.28) v2(92.9,128.39) v2(92.9,127.68) v2(92.9,126.97) v2(92.93,126.28) v2(100.4,45.1) v2(100.4,44.39) v2(100.4,43.73) v2(100.4,43.04) v2(100.4,42.33) v2(100.4,41.65) v2(100.4,40.96) v2(102.89,45) v2(102.89,44.34) v2(102.89,43.65) v2(102.89,42.94) v2(102.89,42.26) v2(102.89,41.57) v2(102.89,40.86) v2(145.87,71) v2(158.44,108.2) v2(158.46,107.52) v2(158.46,106.81) v2(158.46,106.09) v2(158.44,105.35) v2(158.46,104.66) v2(158.46,103.95) v2(158.46,103.24) v2(159.19,108.77) v2(159.16,105.85) v2(159.19,105.17) v2(159.19,104.46) v2(159.19,103.75) v2(159.21,108.09) v2(159.21,107.38) v2(159.21,106.67)
+3V3_CLEAN: length 27.9
  Bottom w0.254: U16.1 116.3,129.11 C112.1 116.31,128.5 v1(116.31,128.49) ; v1(116.05,133.57) 116.06,133.57 C117.1 115.99,132.92 U19.1 ; v1(110.08,123.15) R58.2 110.77,123.13 C110.1 110.77,122.54 ; 118.69,126.05 Y3.6 ; C115.1 117.32,125.34 v1(117.32,124.86) ; U20.27 129.72,132.16 129.51,132.38 C124.1 129.03,132.38 v1(129.03,132.76) ; U20.30 129.09,133.66 ; 129.09,133.56 C116.1 129.03,133.62 v1(129.03,133.22) ; v1(138.23,126.99) 138.22,127.01 L26.2 ; 134.65,137.98 135.19,137.98 v1(135.21,137.97) ; 130.38,136.49 v1(130.38,135.99) ; U20.20 133.25,128.94 C125.1 132.51,128.69 v1(132.49,128.71) ; U20.1 131.25,135.95 130.76,136.44 130.43,136.44 ; L26.2 v1(138.94,127.98) ; L26.2 v1(138.22,128.81) ; U20.4 132.75,136.08 v1(132.59,136.24) 132.59,136.69 132.44,136.84 132.44,137.14 132.09,137.14 v1(131.93,137.3)